# Altium PCB Неудачная разводка ddr.PcbDoc (part 2 of 3) (continued)
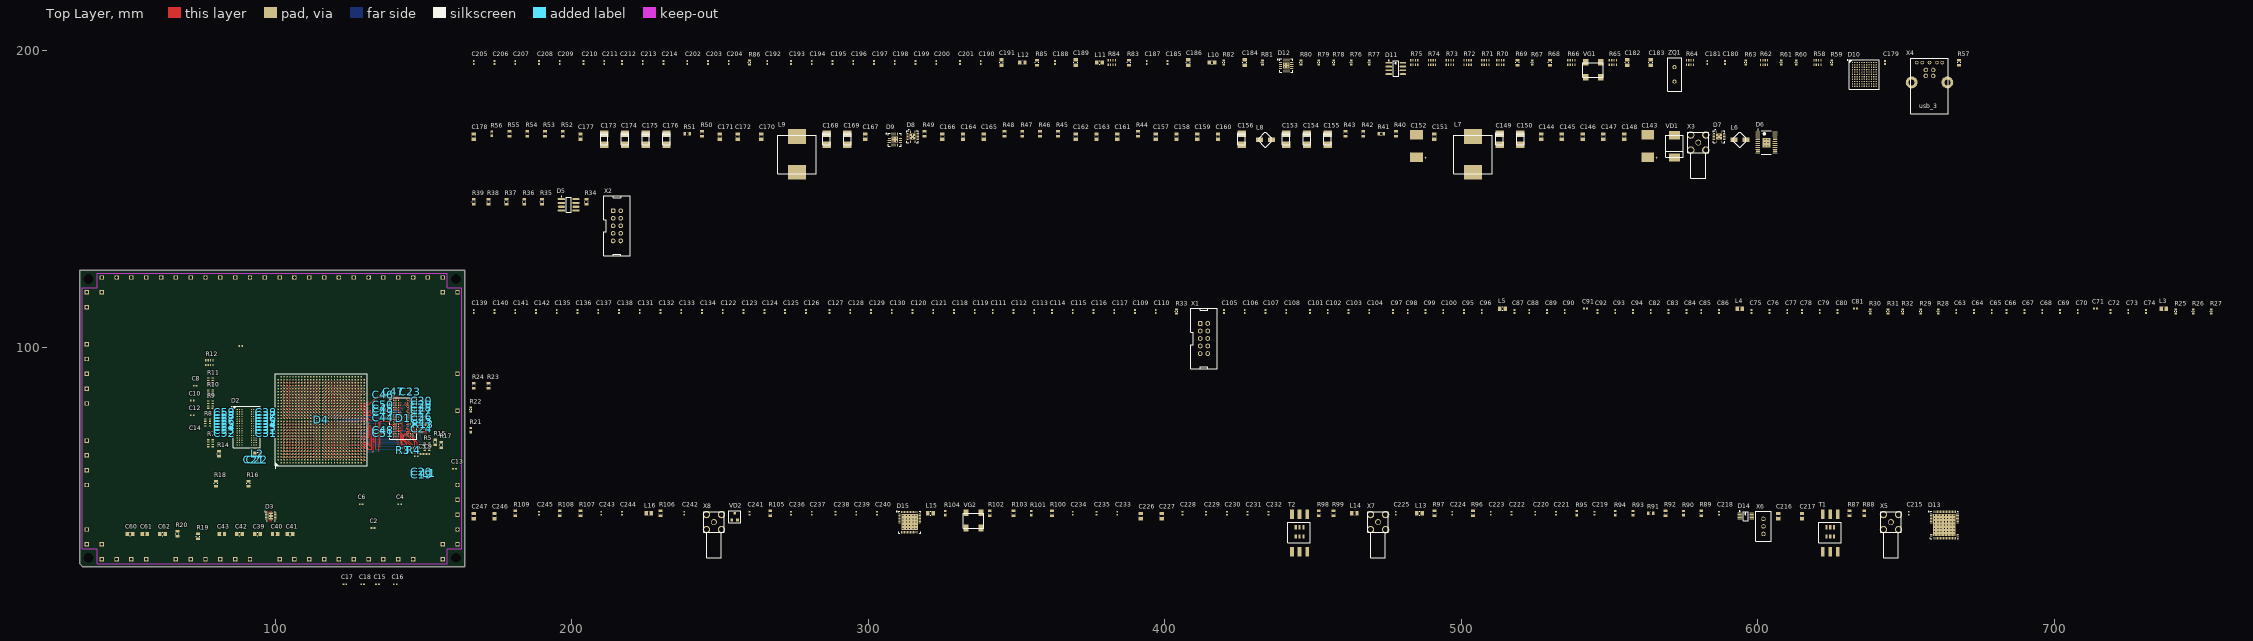
[diagram p0: Top Layer view]
## Footprints (in the part's own frame and the unit in brackets; to place one, negate y for a bottom-side part, rotate by r counter-clockwise, add the part's x,y. Pads: shape width x height; smd on the part's side, far side on the other; paste and mask are expansions set on the pad) (continued)
  oval 0.85x0.28 smd paste-0.025 mask+0.07: 2(-1.725,1) 3(-1.725,0.5) 4(-1.725,0) 5(-1.725,-0.5) 6(-1.725,-1) 9(1.725,-1) 10(1.725,-0.5) 11(1.725,0) 12(1.725,0.5) 13(1.725,1)
  rect 2.05x2.05 smd paste-1.025 mask+0.07: 15(0,0)
  silkscreen extent -1.98,-1.98 1.97,2.42, body extent -1.83,-1.83 1.82,1.82, height 0.05
RM-10_L [mm] "TSSOP, 10-Leads, Body 3x3mm, Pitch 0.5mm, IPC High Density"
  oval 1.45x0.25 smd: 1(-2.025,1) 2(-2.025,0.5) 3(-2.025,0) 4(-2.025,-0.5) 5(-2.025,-1) 6(2.025,-1) 7(2.025,-0.5) 8(2.025,0) 9(2.025,0.5) 10(2.025,1)
  silkscreen extent -2.15,-1.55 0.9,1.8, body extent -1.55,-1.55 1.55,1.55, height 1.1
sma [mm]
  round 2 hole 1.5: 1(0,0)
  round 2.5 hole 1.7: 2(-2.54,-2.54) 2(-2.54,2.54) 2(2.54,-2.54) 2(2.54,2.54)
  silkscreen extent -12,-3.5 3.5,3.5, body extent -11.6,-3.5 3.55,3.5, height 9.86
SMC [mm]
  rect 2.8x3.8 smd: 1(-4,0) 2(3.5,0)
  silkscreen extent -4,-3 3.5,3
SO-G3/X.9 [mm]
  rect 0.9x0.95 smd: 1(0,0) 2(0.95,-2.35) 3(-0.95,-2.35)
  silkscreen extent -2,-3.22 2,0.88
TI-DRC10-2400X1650TP_V [mm] "SON, 10-Leads, Body 3x3mm, Pitch 0.5mm, Thermal Pad 3x1.65mm"
  rect 0.85x0.28 smd: 1(-1.475,1) 2(-1.475,0.5) 3(-1.475,0) 4(-1.475,-0.5) 5(-1.475,-1) 6(1.475,-1) 7(1.475,-0.5) 8(1.475,0) 9(1.475,0.5) 10(1.475,1)
  rect 1.65x2.4 smd: 11(0,0)
  Top Layer region: 0.11,1.2 0.11,1.7 0.39,1.7 0.39,1.2
  Top Layer region: -0.11,-1.2 -0.11,-1.7 -0.39,-1.7 -0.39,-1.2
  Top Layer region: 0.11,-1.2 0.11,-1.7 0.39,-1.7 0.39,-1.2
  Top Layer region: -0.11,1.2 -0.11,1.7 -0.39,1.7 -0.39,1.2
  silkscreen extent -2,-1.55 1.55,1.6, body extent -1.5,-1.5 1.5,1.5, height 1
TT!-6-KK81 [mm]
  rect 1.27x3.18 smd: 1(0,12.7) 2(2.54,12.7) 3(5.08,12.7) 4(5.08,0) 5(2.54,0) 6(0,0)
  rect 0.76x1.4 smd: 11(1.27,8.255) 12(2.54,8.255) 13(3.81,8.255) 14(3.81,5.08) 15(2.54,5.08) 16(1.27,5.08)
  silkscreen extent -1.4,3 6.2,9.9
USB3_B [mm]
  round 1.5 hole 1: 1(1.25,-2.5) 2(-1.25,-2.5) 3(-1.25,-4.5) 4(1.25,-4.5)
  round 1.2 hole 0.8: 5(-4.25,0) 6(-2.5,0) 7(0,0) 8(2.5,0) 9(4.25,0)
  round 4 hole 2: 10(-6.02,-6.71) 10(6.02,-6.71)
  silkscreen extent -6.25,-17.25 6.25,1.5, body extent -7.4,-16.7 7.4,-0.2, height 11

## Part data
C1 C2 C3 C4 C5 C6 C7 C8 C9 C10 C11 C12 C13 C14 C15 C16 C17 C18 C19 C20 C21 C22 C23 C24 C25 C26 C27 C28 C29 C30 C31 C32 C33 C34 C35 C36 C37 C38 C44 C45 C46 C47 C48 C49 C50 C51 C52 C53 C54 C55 C56 C57 C58 C59 C63 C64 C65 C66 C67 C68 C69 C70 C71 C72 C73 C74 C75 C76 C77 C78 C79 C80 C81 C82 C83 C84 C85 C86 C87 C88 C89 C90 C91 C92 C93 C94 C95 C96 C97 C98 C99 C100 C101 C102 C103 C104 C105 C106 C107 C108 C109 C110 C111 C112 C113 C114 C115 C116 C117 C118 C119 C120 C121 C122 C123 C124 C125 C126 C127 C128 C129 C130 C131 C132 C133 C134 C135 C136 C137 C138 C139 C140 C141 C142 C179 C180 C181 C185 C187 C188 C190 C192 C193 C194 C195 C196 C197 C198 C199 C200 C201 C202 C203 C204 C205 C206 C207 C208 C209 C210 C211 C212 C213 C214 C215 C218 C219 C220 C221 C222 C223 C224 C225 C228 C229 C230 C231 C232 C233 C234 C235 C236 C237 C238 C239 C240 C241 C242 C243 C244 C245: library part CAP_0402, "CAP 1uF 10V ±20% 0402 (1005 Metric) Thickness 0.6mm SMD"
D1 D2: "4Gb DDR3-1600 SDRAM, 256Mb x 16, 1.25ns, 1.5V, 0 to 95 degC, 96-Ball FBGA, Pb-Free"
D3: "Single Output LDO, 3 A, 2.375 to 3.5 V Input, with DDR Termination, 10-pin SON (DRC), -40 to 85 degC, Green (RoHS & no Sb/Br)"
D4: "Cyclone V E Family FPGA, 1.07 to 1.13 V Supply, 480 I/O Pins, 7 PLLs, 896-Pin FBGA, Speed Grade 8, Commercial Grade, RoHS Compliant"
D6: "Dual 4 MHz, 3 A Synchronous Step-Down DC/DC Converter, 24-pin SOP (FE-24-EPV-AA), -40 to 125 degC, Pb-Free"
D7 D8: "Buck Step Down Regulator with 4.5 to 17 V Input and 0.8 to 15 V Output, -40 to 150 degC, 14-Pin VQFN (RGY), Green (RoHS & no Sb/Br)"
D10: library part CYUSB3014-BZXC
D11: library part AT24C08BN-SP25-T, "8Kbit (1024 x 8), 2-wire Bus Automotive Serial EEPROM with Write Protect, 2.5V, 8-Pin SOIC, Tape & Reel"
D13: "Dual 14-Bit Analog-to-Digital Converter with Parallel Interface, 1.8 V, 125MSPS, -40 to +85 degC, CP-64-6, Pb-Free, Tray"
D14: "Dual 12-Bit Rail-to-Rail Output Digital-to-Analog Converter, 2.5 to 5.5 V, -40 to +105 degC, RM-10, Tube"
D15: "12-Output Clock Generator with Integrated 2.5 GHz VCO, 1800 MHz Max f-out, CP-48-8, Pb-Free, 260 Tray"
L1 L2 L3 L4 L5 L10 L11 L12 L13 L14 L15 L16: library part Ferrite_beat
L6 L8: "INDUCT"
R13 R14 R15 R16 R17 R18 R19 R20 R23 R24 R34 R35 R36 R37 R38 R39 R40 R41 R42 R43 R44 R45 R46 R47 R48 R49 R50 R51 R52 R53 R54 R55 R57 R68 R69 R83 R85 R87 R88 R89 R91 R92 R96 R97 R98 R99 R100 R102 R103 R105 R106 R107 R108 R109: library part RES_0805, "1K 0.125W 1% 0805 (2012 Metric)  SMD"
R21 R22 R25 R26 R27 R28 R29 R30 R31 R32 R33 R56 R59 R60 R61 R63 R67 R76 R77 R78 R79 R80 R81 R82 R86 R90 R93 R94 R95 R101 R104: library part RES_0603, "1K 0.1W 5% 0603 (1608 Metric)  SMD"
T1 T2: library part TT1-6-KK81
VD2: "SOT23 Silicon Planar High-Speed Switching Series Diode Pair"

## Free pads (board coordinates)
  rect 0.3x0.5 hole 3.3 unplated: 0(37,29) 0(161,29) 0(161,123)
  rect 0x0 hole 3.3 unplated: 0(37,123)
  rect 1.5x1.5 hole 0.9: 3(36.5,33.5) 3(36.5,38.5) 3(36.5,53.5) 3(36.5,58.5) 3(36.5,63.5) 3(36.5,68.5) 3(36.5,81) 3(36.5,86) 3(36.5,91) 3(36.5,96) 3(36.5,101) 3(36.5,113.5) 3(36.5,118.5) 3(41.5,28.5) 3(41.5,33.5) 3(41.5,118.5) 3(41.5,123.5) 3(46.5,28.5) 3(46.5,123.5) 3(51.5,28.5) 3(51.5,123.5) 3(56.5,28.5) 3(56.5,123.5) 3(61.5,123.5) 3(66.5,28.5) 3(66.5,123.5) 3(71.5,28.5) 3(71.5,123.5) 3(76.5,28.5) 3(76.5,123.5) 3(81.5,28.5) 3(81.5,123.5) 3(86.5,28.5) 3(86.5,123.5) 3(91.5,28.5) 3(91.5,123.5) 3(96.5,123.5) 3(101.5,28.5) 3(101.5,123.5) 3(106.5,28.5) 3(106.5,123.5) 3(111.5,28.5) 3(111.5,123.5) 3(116.5,28.5) 3(116.5,123.5) 3(121.5,28.5) 3(121.5,123.5) 3(126.5,28.5) 3(126.5,123.5) 3(131.5,28.5) 3(131.5,123.5) 3(136.5,28.5) 3(136.5,123.5) 3(141.5,28.5) 3(141.5,123.5) 3(146.5,28.5) 3(146.5,123.5) 3(151.5,123.5) 3(156.5,28.5) 3(156.5,33.5) 3(156.5,118.5) 3(156.5,123.5) 3(161.5,33.5) 3(161.5,38.5) 3(161.5,43.5) 3(161.5,48.5) 3(161.5,53.5) 3(161.5,78.5) 3(161.5,91) 3(161.5,118.5)

## Via types
v1: diameter 0.45, hole 0.2, Top Layer to Bottom Layer, 840 vias
v2: diameter 0.5, hole 0.2, Top Layer to Bottom Layer, 100 vias

## Nets (pads, with @x,y where several pads share a name; then routed paths per layer and width w, separated by ;. In a path a pad name is that pad's centre, name@x,y a point inside that pad or via, vN(x,y) a via of type N, cw(c..) or ccw(c..) an arc to the next point about the centre after c; other vN are vias at no path point)
0V: C1.1 C2.1 C3.2 C4.2 C5.2 C6.2 C7.2 C8.2 C9.2 C10.2 C11.2 C12.2 C13.2 C14.2 C15.1 C16.1 C17.1 C18.1 C19.1 C20.1 C21.1 C22.1 C23.1 C24.1 C25.1 C26.1 C27.1 C28.1 C29.1 C30.1 C31.1 C32.1 C33.1 C34.1 C35.1 C36.1 C37.1 C38.1 C39.1 C40.1 C41.1 C42.1 C43.1 C44.1 C45.1 C46.1 C47.1 C48.1 C49.1 C50.1 C51.1 C52.1 C53.1 C54.1 C55.1 C56.1 C57.1 C58.1 C59.1 C60.1 C61.1 C62.1 C63.1 C64.1 C65.1 C66.1 C67.1 C68.1 C69.1 C70.1 C71.1 C72.1 C73.1 C74.1 C75.1 C76.1 C77.1 C78.1 C79.1 C80.1 C81.1 C82.1 C83.1 C84.1 C85.1 C86.1 C87.1 C88.1 C89.1 C90.1 C91.1 C92.1 C93.1 C94.1 C95.1 C96.1 C97.1 C98.1 C99.1 C100.1 C101.1 C102.1 C103.1 C104.1 C105.1 C106.1 C107.1 C108.1 C109.1 C110.1 C111.1 C112.1 C113.1 C114.1 C115.1 C116.1 C117.1 C118.1 C119.1 C122.1 C123.1 C124.1 C125.1 C126.1 C127.1 C128.1 C129.1 C130.1 C131.1 C132.1 C133.1 C134.1 C135.1 C136.1 C137.1 C138.1 C139.1 C140.1 C141.1 C142.1 C143.2 C144.2 C145.1 C146.1 C147.1 C148.1 C149.2 C150.2 C152.2 C153.2 C154.2 C155.2 C156.2 C157.1 C158.1 C159.1 C160.1 C161.1 C162.1 C163.1 C164.1 C165.1 C166.1 C167.2 C168.2 C169.2 C171.1 C172.1 C173.2 C174.2 C175.2 C176.2 C177.1 C178.1 C179.2 C182.1 C183.1 C184.1 C185.1 C186.1 C187.1 C188.1 C189.1 C190.1 C191.1 C192.1 C193.1 C194.1 C195.1 C196.1 C197.1 C198.1 C199.1 C200.1 C201.1 C202.1 C203.1 C204.1 C205.1 C206.1 C207.1 C208.1 C209.1 C210.1 C211.1 C212.1 C213.1 C214.1 C218.2 C233.2 C234.1 C235.1 C236.1 C237.1 C238.1 C239.1 C240.1 C241.1 C243.1 C244.1 C245.1 C246.1 C247.1 D1.A9 D1.B1 D1.B3 D1.B9 D1.D1 D1.D8 D1.E1 D1.E2 D1.E8 D1.F9 D1.G1 D1.G8 D1.G9 D1.J2 D1.J8 D1.M1 D1.M9 D1.P1 D1.P9 D1.T1 D1.T9 D2.A9 D2.B1 D2.B3 D2.B9 D2.D1 D2.D8 D2.E1 D2.E2 D2.E8 D2.F9 D2.G1 D2.G8 D2.G9 D2.J2 D2.J8 D2.M1 D2.M9 D2.P1 D2.P9 D2.T1 D2.T9 D3.4 D3.8 D3.11 D4.A9 D4.A12 D4.A15 D4.A17 D4.A20 D4.A23 D4.A24 D4.A26 D4.A27 D4.AA1 D4.AA2 D4.AA3 D4.AA4 D4.AA6 D4.AA17 D4.AA18 D4.AA19 D4.AA21 D4.AA27 D4.AB1 D4.AB2 D4.AB5 D4.AB10 D4.AB20 D4.AB21 D4.AB22 D4.AB30 D4.AC1 D4.AC2 D4.AC3 D4.AC4 D4.AC6 D4.AC13 D4.AC22 D4.AC23 D4.AC25 D4.AD1 D4.AD2 D4.AD5 D4.AD7 D4.AD16 D4.AD26 D4.AE1 D4.AE2 D4.AE3 D4.AE4 D4.AE6 D4.AE8 D4.AE9 D4.AE19 D4.AE29 D4.AF1 D4.AF2 D4.AF5 D4.AF12 D4.AF22 D4.AF23 D4.AG1 D4.AG2 D4.AG3 D4.AG4 D4.AG15 D4.AG25 D4.AG26 D4.AH1 D4.AH2 D4.AH3 D4.AH8 D4.AH17 D4.AH18 D4.AH25 D4.AH28 D4.AJ6 D4.AJ9 D4.AJ11 D4.AJ21 D4.AJ22 D4.AJ24 D4.AJ25 D4.AK2 D4.AK6 D4.AK14 D4.AK20 D4.AK24 D4.AK28 D4.AK29 D4.B1 D4.B2 D4.B10 D4.B20 D4.B27 D4.B30 D4.C2 D4.C3 D4.C4 D4.C6 D4.C13 D4.C22 D4.C23 D4.C26 D4.D1 D4.D2 D4.D5 D4.D16 D4.D26 D4.E3 D4.E4 D4.E5 D4.E9 D4.E19 D4.E20 D4.E23 D4.E29 D4.F1 D4.F2 D4.F5 D4.F12 D4.F20 D4.F22 D4.G3 D4.G4 D4.G5 D4.G15 D4.G21 D4.G24 D4.G25 D4.H1 D4.H2 D4.H5 D4.H6 D4.H8 D4.H11 D4.H18 D4.H20 D4.H21 D4.H28 D4.J3 D4.J4 D4.J6 D4.J11 D4.J20 D4.J21 D4.K1 D4.K2 D4.K5 D4.K9 D4.K14 D4.K24 D4.L1 D4.L2 D4.L3 D4.L4 D4.L6 D4.L17 D4.L27 D4.M1 D4.M2 D4.M5 D4.M10 D4.M14 D4.M16 D4.M18 D4.M20 D4.M26 D4.M30 D4.N1 D4.N2 D4.N3 D4.N4 D4.N6 D4.N7 D4.N8 D4.N13 D4.N15 D4.N17 D4.N19 D4.N23 D4.P1 D4.P2 D4.P5 D4.P7 D4.P8 D4.P11 D4.P14 D4.P16 D4.P18 D4.P26 D4.P27 D4.R1 D4.R2 D4.R3 D4.R4 D4.R6 D4.R7 D4.R8 D4.R9 D4.R13 D4.R15 D4.R17 D4.R19 D4.R29 D4.T1 D4.T2 D4.T5 D4.T8 D4.T12 D4.T14 D4.T16 D4.T18 D4.T20 D4.T22 D4.U1 D4.U2 D4.U3 D4.U4 D4.U6 D4.U13 D4.U15 D4.U17 D4.U19 D4.U25 D4.V1 D4.V2 D4.V5 D4.V8 D4.V14 D4.V16 D4.V18 D4.V20 D4.V23 D4.V28 D4.W1 D4.W2 D4.W3 D4.W4 D4.W6 D4.W7 D4.W8 D4.W11 D4.W13 D4.W15 D4.W17 D4.W19 D4.W21 D4.Y1 D4.Y2 D4.Y5 D4.Y7 D4.Y14 D4.Y24 D5.5 D6.1 D6.5 D6.14 D6.24 D6.25 D7.2 D7.3 D7.15 D8.2 D8.3 D8.15 D9.6 D9.17 D10.A1 D10.A8 D10.B7 D10.B8 D10.B9 D10.D8 D10.E2 D10.G1 D10.G11 D10.K3 D10.K4 D10.L1 D10.L2 D10.L3 D10.L6 D10.L11 D11.1 D11.2 D11.3 D11.4 D11.7 D12.6 D12.17 D13.20 D13.64 D15.49 R13.2 R14.2 R15.1 R16.1 R20.1 R21.1 R22.2 R23.2 R24.2 R33.1 R38.1 R39.2 R42.2 R44.1 R45.2 R49.1 R52.1 R53.2 R54.1 R59.1 R60.2 R61.1 R68.2 R69.2 R80.2 R81.2 R85.1 R106.1 R107.2 R108.2 VD2.3 VG1.2 VG2.2 X1.2 X1.10 X2.2 X2.4 X2.6 X2.8 X2.9 X2.10 X3.2 X4.4 X4.7 X4.10 X6.2 X8.2 | length 155.5
  Top Layer w0.125: v1(102.5,62.5) D4.C3@103,63 ; v1(102.5,63.5) D4.C4@103,64 ; v1(102.5,65.5) D4.C6@103,66 ; v1(102.5,72.5) D4.C13@103,73 ; v1(102.5,82.5) D4.C22@103,82 ; v1(102.5,83.5) D4.C23@103,83 ; v1(102.5,86.5) D4.C26@103,86 ; v1(103.5,64.5) D4.D5@104,65 ; v1(103.5,76.5) D4.D16@104,76 ; v1(103.5,86.5) D4.D26@104,86 ; v1(104.5,62.5) D4.E3@105,63 ; v1(104.5,63.5) D4.E4@105,64 ; v1(104.5,64.5) D4.E5@105,65 ; v1(104.5,68.5) D4.E9@105,69 ; v1(104.5,79.5) D4.E19@105,79 ; v1(104.5,80.5) D4.E20@105,80 ; v1(104.5,83.5) D4.E23@105,83 ; v1(105.5,64.5) D4.F5@106,65 ; v1(105.5,71.5) D4.F12@106,72 ; v1(105.5,80.5) D4.F20@106,80 ; v1(105.5,82.5) D4.F22@106,82 ; v1(106.5,62.5) D4.G3@107,63 ; v1(106.5,63.5) D4.G4@107,64 ; v1(106.5,64.5) D4.G5@107,65 ; v1(106.5,74.5) D4.G15@107,75 ; v1(106.5,81.5) D4.G21@107,81 ; v1(106.5,84.5) D4.G24@107,84 ; v1(106.5,85.5) D4.G25@107,85 ; v1(107.5,64.5) D4.H5@108,65 ; v1(107.5,65.5) D4.H6@108,66 ; v1(107.5,67.5) D4.H8@108,68 ; v1(107.5,70.5) D4.H11@108,71 ; v1(107.5,78.5) D4.H18@108,78 ; v1(107.5,80.5) D4.H20@108,80 ; v1(107.5,81.5) D4.H21@108,81 ; v1(107.5,88.5) D4.H28@108,88 ; v1(108.5,62.5) D4.J3@109,63 ; v1(108.5,63.5) D4.J4@109,64 ; v1(108.5,65.5) D4.J6@109,66 ; v1(108.5,70.5) D4.J11@109,71 ; v1(108.5,80.5) D4.J20@109,80 ; v1(108.5,81.5) D4.J21@109,81 ; v1(109.5,64.5) D4.K5@110,65 ; v1(109.5,68.5) D4.K9@110,69 ; v1(109.5,73.5) D4.K14@110,74 ; v1(109.5,84.5) D4.K24@110,84 ; v1(110.5,62.5) D4.L3@111,63 ; v1(110.5,63.5) D4.L4@111,64 ; v1(110.5,65.5) D4.L6@111,66 ; v1(110.5,77.5) D4.L17@111,77 ; v1(110.5,87.5) D4.L27@111,87 ; v1(111.5,64.5) D4.M5@112,65 ; v1(111.5,69.5) D4.M10@112,70 ; v1(111.5,73.5) D4.M14@112,74 ; v1(111.5,76.5) D4.M16@112,76 ; v1(111.5,78.5) D4.M18@112,78 ; v1(111.5,80.5) D4.M20@112,80 ; v1(111.5,86.5) D4.M26@112,86 ; v1(112.5,62.5) D4.N3@113,63 ; v1(112.5,63.5) D4.N4@113,64 ; v1(112.5,65.5) D4.N6@113,66 ; v1(112.5,66.5) D4.N7@113,67 ; v1(112.5,67.5) D4.N8@113,68 ; v1(112.5,72.5) D4.N13@113,73 ; v1(112.5,74.5) D4.N15@113,75 ; v1(112.5,77.5) D4.N17@113,77 ; v1(112.5,79.5) D4.N19@113,79 ; v1(112.5,83.5) D4.N23@113,83 ; v1(113.5,64.5) D4.P5@114,65 ; v1(113.5,66.5) D4.P7@114,67 ; v1(113.5,67.5) D4.P8@114,68 ; v1(113.5,70.5) D4.P11@114,71 ; v1(113.5,73.5) D4.P14@114,74 ; v1(113.5,76.5) D4.P16@114,76 ; v1(113.5,78.5) D4.P18@114,78 ; v1(113.5,86.5) D4.P26@114,86 ; v1(113.5,87.5) D4.P27@114,87 ; v1(114.5,63.5) D4.R4@115,64 ; v1(114.5,65.5) D4.R6@115,66 ; v1(114.5,66.5) D4.R7@115,67 ; v1(114.5,67.5) D4.R8@115,68 ; v1(114.5,68.5) D4.R9@115,69 ; v1(114.5,72.5) D4.R13@115,73 ; v1(114.5,74.5) D4.R15@115,75 ; v1(114.5,77.5) D4.R17@115,77 ; v1(114.5,79.5) D4.R19@115,79 ; D4.T5@116,65 v1(116.5,64.5) ; D4.T8@116,68 v1(116.5,67.5) ; D4.T12@116,72 v1(116.5,71.5) ; D4.T14@116,74 v1(116.5,73.5) ; D4.T16@116,76 v1(116.5,76.5) ; D4.T18@116,78 v1(116.5,78.5) ; D4.T20@116,80 v1(116.5,80.5) ; D4.T22@116,82 v1(116.5,82.5) ; D4.U3@117,63 v1(117.5,62.5) ; D4.U4@117,64 v1(117.5,63.5) ; D4.U6@117,66 v1(117.5,65.5) ; D4.U13@117,73 v1(117.5,72.5) ; D4.U15@117,75 v1(117.5,74.5) ; D4.U17@117,77 v1(117.5,77.5) ; D4.U19@117,79 v1(117.5,79.5) ; D4.U25@117,85 v1(117.5,85.5) ; D4.V5@118,65 v1(118.5,64.5) ; D4.V8@118,68 v1(118.5,67.5) ; D4.V14@118,74 v1(118.5,73.5) ; D4.V16@118,76 v1(118.5,76.5) ; D4.V18@118,78 v1(118.5,78.5) ; D4.V20@118,80 v1(118.5,80.5) ; D4.V23@118,83 v1(118.5,83.5) ; D4.V28@118,88 v1(118.5,88.5) ; D4.W3@119,63 v1(119.5,62.5) ; D4.W4@119,64 v1(119.5,63.5) ; D4.W6@119,66 v1(119.5,65.5) ; D4.W7@119,67 v1(119.5,66.5) ; D4.W8@119,68 v1(119.5,67.5) ; D4.W11@119,71 v1(119.5,70.5) ; D4.W13@119,73 v1(119.5,72.5) ; D4.W15@119,75 v1(119.5,74.5) ; D4.W17@119,77 v1(119.5,77.5) ; D4.W19@119,79 v1(119.5,79.5) ; D4.W21@119,81 v1(119.5,81.5) ; D4.Y5@120,65 v1(120.5,64.5) ; D4.Y7@120,67 v1(120.5,66.5) ; D4.Y14@120,74 v1(120.5,73.5) ; D4.Y24@120,84 v1(120.5,84.5) ; D4.AA3@121,63 v1(121.5,62.5) ; D4.AA4@121,64 v1(121.5,63.5) ; D4.AA6@121,66 v1(121.5,65.5) ; D4.AA17@121,77 v1(121.5,77.5) ; D4.AA18@121,78 v1(121.5,78.5) ; D4.AA19@121,79 v1(121.5,79.5) ; D4.AA21@121,81 v1(121.5,81.5) ; D4.AA27@121,87 v1(121.5,87.5) ; D4.AB5@122,65 v1(122.5,64.5) ; D4.AB10@122,70 v1(122.5,69.5) ; D4.AB20@122,80 v1(122.5,80.5) ; D4.AB21@122,81 v1(122.5,81.5) ; D4.AB22@122,82 v1(122.5,82.5) ; D4.AC3@123,63 v1(123.5,62.5) ; D4.AC4@123,64 v1(123.5,63.5) ; D4.AC6@123,66 v1(123.5,65.5) ; D4.AC13@123,73 v1(123.5,72.5) ; D4.AC22@123,82 v1(123.5,82.5) ; D4.AC23@123,83 v1(123.5,83.5) ; D4.AC25@123,85 v1(123.5,85.5) ; D4.AD5@124,65 v1(124.5,64.5) ; D4.AD7@124,67 v1(124.5,66.5) ; D4.AD16@124,76 v1(124.5,76.5) ; D4.AD26@124,86 v1(124.5,86.5) ; D4.AE3@125,63 v1(125.5,62.5) ; D4.AE4@125,64 v1(125.5,63.5) ; D4.AE6@125,66 v1(125.5,65.5) ; D4.AE8@125,68 v1(125.5,67.5) ; D4.AE9@125,69 v1(125.5,68.5) ; D4.AE19@125,79 v1(125.5,79.5) ; D4.AF5@126,65 v1(126.5,64.5) ; D4.AF12@126,72 v1(126.5,71.5) ; D4.AF22@126,82 v1(126.5,82.5) ; D4.AF23@126,83 v1(126.5,83.5) ; D4.AG3@127,63 v1(127.5,62.5) ; D4.AG4@127,64 v1(127.5,63.5) ; D4.AG15@127,75 v1(127.5,74.5) ; D4.AG25@127,85 v1(127.5,85.5) ; D4.AG26@127,86 v1(127.5,86.5) ; D4.AH3@128,63 v1(128.5,62.5) ; D4.AH8@128,68 v1(128.5,67.5) ; D4.AH17@128,77 v1(128.5,77.5) ; D4.AH18@128,78 v1(128.5,78.5) ; D4.AH25@128,85 v1(128.5,85.5) ; D4.AH28@128,88 v1(128.5,88.5) ; D4.AJ6@129,66 v1(129.5,65.5) ; D4.AJ9@129,69 v1(129.5,68.5) ; D4.AJ11@129,71 v1(129.5,70.5) ; D4.AJ21@129,81 v1(129.5,81.5) ; D4.AJ22@129,82 v1(129.5,82.5) ; D4.AJ24@129,84 v1(129.5,84.5) ; D4.AJ25@129,85 v1(129.5,85.5) ; D4.AK2@130,62 v1(130.5,61.5) ; D4.AK6@130,66 v1(130.5,65.5) ; D4.AK14@130,74 130.5,74.5 v1(130.4,74.4) ; D4.AK20@130,80 v1(130.75,80) ; D4.AK24@130,84 v1(130.5,84.5) ; D4.AK28@130,88 v1(130.5,88.5) ; D4.AK29@130,89 v1(130.5,89.5) ; v1(139.2,71.6) D1.P1@140,71.6 ; v1(139.75,69.25) 140,69.5 D1.T1@140,70 ; D1.T9@146.4,70 v1(146.8,69.6)
  Top Layer w0.2: v1(138.4,81.2) D1.B1@140,81.2
  Top Layer w0.3: v1(114.5,62.5) D4.R3@115,63 ; v1(135.5,77.7) 135.8,78 C49.1@136,78 ; v1(135.5,79.3) C45.1@136,79.3 ; v1(135.5,80.5) C50.1@136,80.5 ; C51.1@136,71 v1(136,71.5) C48.1@136,72 ; v1(138.2,74) 139.2,74 D1.M1@140,73.2 ; v1(138.4,79.6) D1.D1@140,79.6 ; v1(138.9,77.2) v1@138.9,77.3 ; D1.G1@140,77.2 139.2,77.2 v1@139,77.2 ; D1.E1@140,78.8 140.4,79.2 D1.E2@140.8,78.8 ; C47.1@140,85.5 v1(140,86) ; D1.J2@140.8,75.6 v1(141.2,76) ; D1.B3@141.6,81.2 v1@142.3,81.2 ; C23.1@145.5,85.5 v1(145.5,86) ; D1.J8@145.6,75.6 146,76 146,76.022 145.997,76.019 v1(145.997,75.975) ; D1.G8@145.6,77.2 v1(146,76.8) ; D1.E8@145.6,78.8 v1(146,78.4) ; D1.D8@145.6,79.6 145.972,79.228 v1(145.972,79.25) ; D1.P9@146.4,71.6 146.45,71.55 v1(146.85,71.55) ; D1.M9@146.4,73.2 v1(147,73.2) ; D1.G9@146.4,77.2 v1(147,77.2) ; D1.F9@146.4,78 v1(147,78) ; D1.B9@146.4,81.2 v1(147,81.2) ; D1.A9@146.4,82 v1(147,82) ; C24.1@150,72.5 v1(150.5,72.5) ; C25.1@150,75.5 v1(150.5,75.5) ; C26.1@150,76.5 v1(150.5,76.5) ; C27.1@150,78.5 v1(150.5,78.5) ; C28.1@150,79.5 v1(150.5,79.5) ; C29.1@150,80.5 v1(150.5,80.5) ; R13.2@150.7,74 v1(151.5,74) ; v1@138.9,77.3 v1@139,77.2 ; v1@138.9,77.3 138.95,77.25 v1@139,77.2
  other v1: 140.4,79.1 142.3,81.2 150.5,82
  other v2: 311.8,38.8 312.9,38.8 314,38.8 315.1,38.8 316.2,38.8 311.8,39.9 312.9,39.9 314,39.9 315.1,39.9 316.2,39.9 311.8,41 312.9,41 314,41 315.1,41 316.2,41 311.8,42.1 312.9,42.1 314,42.1 315.1,42.1 316.2,42.1 98.025,42.5 99.025,42.5 311.8,43.2 312.9,43.2 314,43.2 315.1,43.2 316.2,43.2 98.025,43.5 99.025,43.5 602.45,167.9 603.55,167.9 602.45,169 603.55,169 308.45,169.45 309.55,169.45 602.45,170.1 603.55,170.1 315,170.35 587,170.35 308.45,170.55 309.55,170.55 314.35,171 315.65,171 586.35,171 587.65,171 315,171.65 587,171.65 440.45,194.45 441.55,194.45 440.45,195.55 441.55,195.55
0VA: C220.2 C221.2 C228.1 C229.1 C230.1 C231.1 C232.1 D13.65 R89.1 R90.1 R97.2 R100.1 R101.2 T1.6 T2.6 X5.2 X7.2
  other v2: 659.7,36.7 660.8,36.7 661.9,36.7 663,36.7 664.1,36.7 665.2,36.7 666.3,36.7 659.7,37.8 660.8,37.8 661.9,37.8 663,37.8 664.1,37.8 665.2,37.8 666.3,37.8 659.7,38.9 660.8,38.9 661.9,38.9 663,38.9 664.1,38.9 665.2,38.9 666.3,38.9 659.7,40 660.8,40 661.9,40 663,40 664.1,40 665.2,40 666.3,40 659.7,41.1 660.8,41.1 661.9,41.1 663,41.1 664.1,41.1 665.2,41.1 666.3,41.1 659.7,42.2 660.8,42.2 661.9,42.2 663,42.2 664.1,42.2 665.2,42.2 666.3,42.2 659.7,43.3 660.8,43.3 661.9,43.3 663,43.3 664.1,43.3 665.2,43.3 666.3,43.3
12V: C143.1 C144.1 C149.1 C150.1 C152.1 C167.1 C168.1 C169.1 D7.4 D7.5 D7.6 D8.4 D8.5 D8.6 VD1.1
A_485: R35.2 X2.1
AD97_CS: D15.14
AD5322_DIN: D14.9
AD5322_LDAC: D14.1
AD5322_SCLK: D14.8
AD5322_SYNC: D14.7
AD9517_EXT_CLK: C242.2 D15.47 R105.1 R106.2 VD2.1
AD9517_FPGA_CLK: D15.48 VG2.3
AD9517_REF_SEL: D15.6
AD9517_REFMON: D15.1
AD9517_SCLK: D15.13
AD9517_SDIO: D15.16
AD9517_SDO: D15.15
AD9517_STATUS: D15.5
ADC_CLK_N: C224.1 D15.34 R96.1
ADC_CLK_P: C222.1 D15.35 R96.2
ADC_CML: C218.1 C233.1 D13.41 T1.2 T2.2
ADC_CSB: D13.51
ADC_D0_N: D13.62
ADC_D0_P: D13.63
ADC_D1_N: D13.2
ADC_D1_P: D13.3
ADC_D2_N: D13.4
ADC_D2_P: D13.5
ADC_D3_N: D13.6
ADC_D3_P: D13.7
ADC_D4_N: D13.8
ADC_D4_P: D13.9
ADC_D5_N: D13.12
ADC_D5_P: D13.13
ADC_D6_N: D13.14
ADC_D6_P: D13.15
ADC_D7_N: D13.16
ADC_D7_P: D13.17
ADC_D8_N: D13.18
ADC_D8_P: D13.19
ADC_D9_N: D13.22
ADC_D9_P: D13.23
ADC_D10_N: D13.25
ADC_D10_P: D13.26
ADC_D11_N: D13.27
ADC_D11_P: D13.28
ADC_D12_N: D13.29
ADC_D12_P: D13.30
ADC_D13_N: D13.31
ADC_D13_P: D13.32
ADC_DCO_N: D13.10
ADC_DCO_P: D13.11
ADC_SCLK: D13.48
ADC_SDIO: D13.47
ADC_SYNC: D13.52
AVDD: C190.2 C191.2 D10.A7 L12.2
B_485: R37.2 X2.3
C_DQ0: D10.F10 R58.8
C_DQ1: D10.F9 R58.6
C_DQ2: D10.F7
C_DQ3: D10.G10 R62.7
C_DQ4: D10.G9
C_DQ5: D10.F8
C_DQ6: D10.H10
C_DQ7: D10.H9
C_DQ8: D10.J10
C_DQ9: D10.J9 R65.8
C_DQ10: D10.K11 R66.7
C_DQ11: D10.L10
C_DQ12: D10.K10 R70.7
C_DQ13: D10.K9 R70.6
C_DQ14: D10.J8 R71.8
C_DQ15: D10.G8 R71.7
C_DQ16: D10.K2 R58.7
C_DQ17: D10.J4 R58.5
C_DQ18: D10.K1 R62.8
C_DQ19: D10.J2 R62.6
C_DQ20: D10.J3 R64.7
C_DQ21: D10.J1 R64.6
C_DQ22: D10.H2 R64.5
C_DQ24: D10.F4 R65.7
C_DQ25: D10.G2 R66.8
C_DQ26: D10.G3 R66.6
C_DQ27: D10.F3 R70.8
C_DQ28: D10.F5 R73.6
C_DQ29: D10.E1
C_DQ30: D10.E5
C_DQ31: D10.E4
CTRL0: D10.K8 R72.6
CTRL1: D10.K7 R72.5
CTRL2: D10.J7 R73.8
CTRL3: D10.H7 R73.7
CTRL4: D10.G7 R73.5
CTRL5: D10.G6 R74.8
CTRL6: D10.K6
CTRL7: D10.H8 R74.7
CTRL8: D10.G5 R74.5
CTRL9: D10.H6
CTRL10: D10.K5 R75.7
CTRL11: D10.J5 R75.6
CTRL12: D10.H5 R75.5
CY_CTRL0: D4.AE30
CY_CTRL1: D4.AD30
CY_CTRL2: D4.AG28 | length 0.7
  Top Layer w0.125: D4.AG28@127,88 v1(127.5,88.5)
CY_CTRL3: D4.AF28 | length 0.7
  Top Layer w0.125: D4.AF28@126,88 v1(126.5,88.5)
CY_CTRL4: D4.U21 | length 0.7
  Top Layer w0.125: D4.U21@117,81 v1(117.5,81.5)
CY_CTRL5: D4.U22 | length 0.7
  Top Layer w0.125: D4.U22@117,82 v1(117.5,82.5)
CY_CTRL6: D4.AF29
CY_CTRL7: D4.V24 | length 0.7
  Top Layer w0.125: D4.V24@118,84 v1(118.5,84.5)
CY_CTRL8: D4.V25 | length 0.7
  Top Layer w0.125: D4.V25@118,85 v1(118.5,85.5)
CY_CTRL9: D4.AJ28
CY_CTRL10: D4.AJ29
CY_CTRL11: D4.AA28 | length 0.7
  Top Layer w0.125: D4.AA28@121,88 v1(121.5,88.5)
CY_CTRL12: D4.Y28 | length 0.7
  Top Layer w0.125: D4.Y28@120,88 v1(120.5,88.5)
CY_DQ0: D4.Y21 | length 0.7
  Top Layer w0.125: D4.Y21@120,81 v1(120.5,81.5)
CY_DQ1: D4.AD24 | length 0.7
  Top Layer w0.125: D4.AD24@124,84 v1(124.5,84.5)
CY_DQ2: D4.AD25 | length 0.7
  Top Layer w0.125: D4.AD25@124,85 v1(124.5,85.5)
CY_DQ3: D4.Y25 | length 0.7
  Top Layer w0.125: D4.Y25@120,85 v1(120.5,85.5)
CY_DQ4: D4.Y26 | length 0.7
  Top Layer w0.125: D4.Y26@120,86 v1(120.5,86.5)
CY_DQ5: D4.AB26 | length 0.7
  Top Layer w0.125: D4.AB26@122,86 v1(122.5,86.5)
CY_DQ6: D4.AA26 | length 0.7
  Top Layer w0.125: D4.AA26@121,86 v1(121.5,86.5)
CY_DQ7: D4.Y23 | length 0.7
  Top Layer w0.125: D4.Y23@120,83 v1(120.5,83.5)
CY_DQ8: D4.W28 | length 0.7
  Top Layer w0.125: D4.W28@119,88 v1(119.5,88.5)
CY_DQ9: D4.AE28 | length 0.7
  Top Layer w0.125: D4.AE28@125,88 v1(125.5,88.5)
CY_DQ10: D4.AD28 | length 0.7
  Top Layer w0.125: D4.AD28@124,88 v1(124.5,88.5)
CY_DQ11: D4.U27 | length 0.7
  Top Layer w0.125: D4.U27@117,87 v1(117.5,87.5)
CY_DQ12: D4.U28 | length 0.7
  Top Layer w0.125: D4.U28@117,88 v1(117.5,88.5)
CY_DQ13: D4.AD29
CY_DQ14: D4.AC29
CY_DQ15: D4.AA29
CY_DQ16: D4.J23 | length 0.7
  Top Layer w0.125: v1(108.5,83.5) D4.J23@109,83
CY_DQ17: D4.J22 | length 0.7
  Top Layer w0.125: v1(108.5,82.5) D4.J22@109,82
CY_DQ18: D4.D27 | length 0.7
  Top Layer w0.125: v1(103.5,87.5) D4.D27@104,87
CY_DQ19: D4.E27 | length 0.7
  Top Layer w0.125: v1(104.5,87.5) D4.E27@105,87
CY_DQ20: D4.N20 | length 0.7
  Top Layer w0.125: v1(112.5,80.5) D4.N20@113,80
CY_DQ21: D4.P20 | length 0.7
  Top Layer w0.125: v1(113.5,80.5) D4.P20@114,80
CY_DQ22: D4.D29
CY_DQ23: D4.D28 | length 0.7
  Top Layer w0.125: v1(103.5,88.5) D4.D28@104,88
CY_DQ24: D4.C30
CY_DQ25: D4.D30
CY_DQ26: D4.L24 | length 0.7
  Top Layer w0.125: v1(110.5,84.5) D4.L24@111,84
CY_DQ27: D4.L23 | length 0.7
  Top Layer w0.125: v1(110.5,83.5) D4.L23@111,83
CY_DQ28: D4.F29
CY_DQ29: D4.G29
CY_DQ30: D4.T21 | length 0.7
  Top Layer w0.125: D4.T21@116,81 v1(116.5,81.5)
CY_DQ31: D4.R20 | length 0.7
  Top Layer w0.125: v1(114.5,80.5) D4.R20@115,80
CY_G: D10.D7 VG1.3
CY_PCLK: D4.AH30
CY_SCL: D10.D9 D11.6 R76.1
CY_SDA: D10.D10 D11.5 R77.1
DDR0_A0: D1.N3 D4.AJ12 | length 15.8
  Top Layer w0.125: D4.AJ12@129,72 v1(129.5,72.5) ; D1.N3@141.6,72.4 142,72.8 v1(142.4,72.8)
  Mid_2 w0.125: v1(129.5,72.5) 130.162,73.162 130.237,73.087 130.671,73.087 130.912,73.329 130.912,73.404 131.471,73.963 137.654,73.963 138.029,73.588 140.527,73.588 141.315,72.8 v1(142.4,72.8)